# Allegro board CATALYSTK_260108.brd
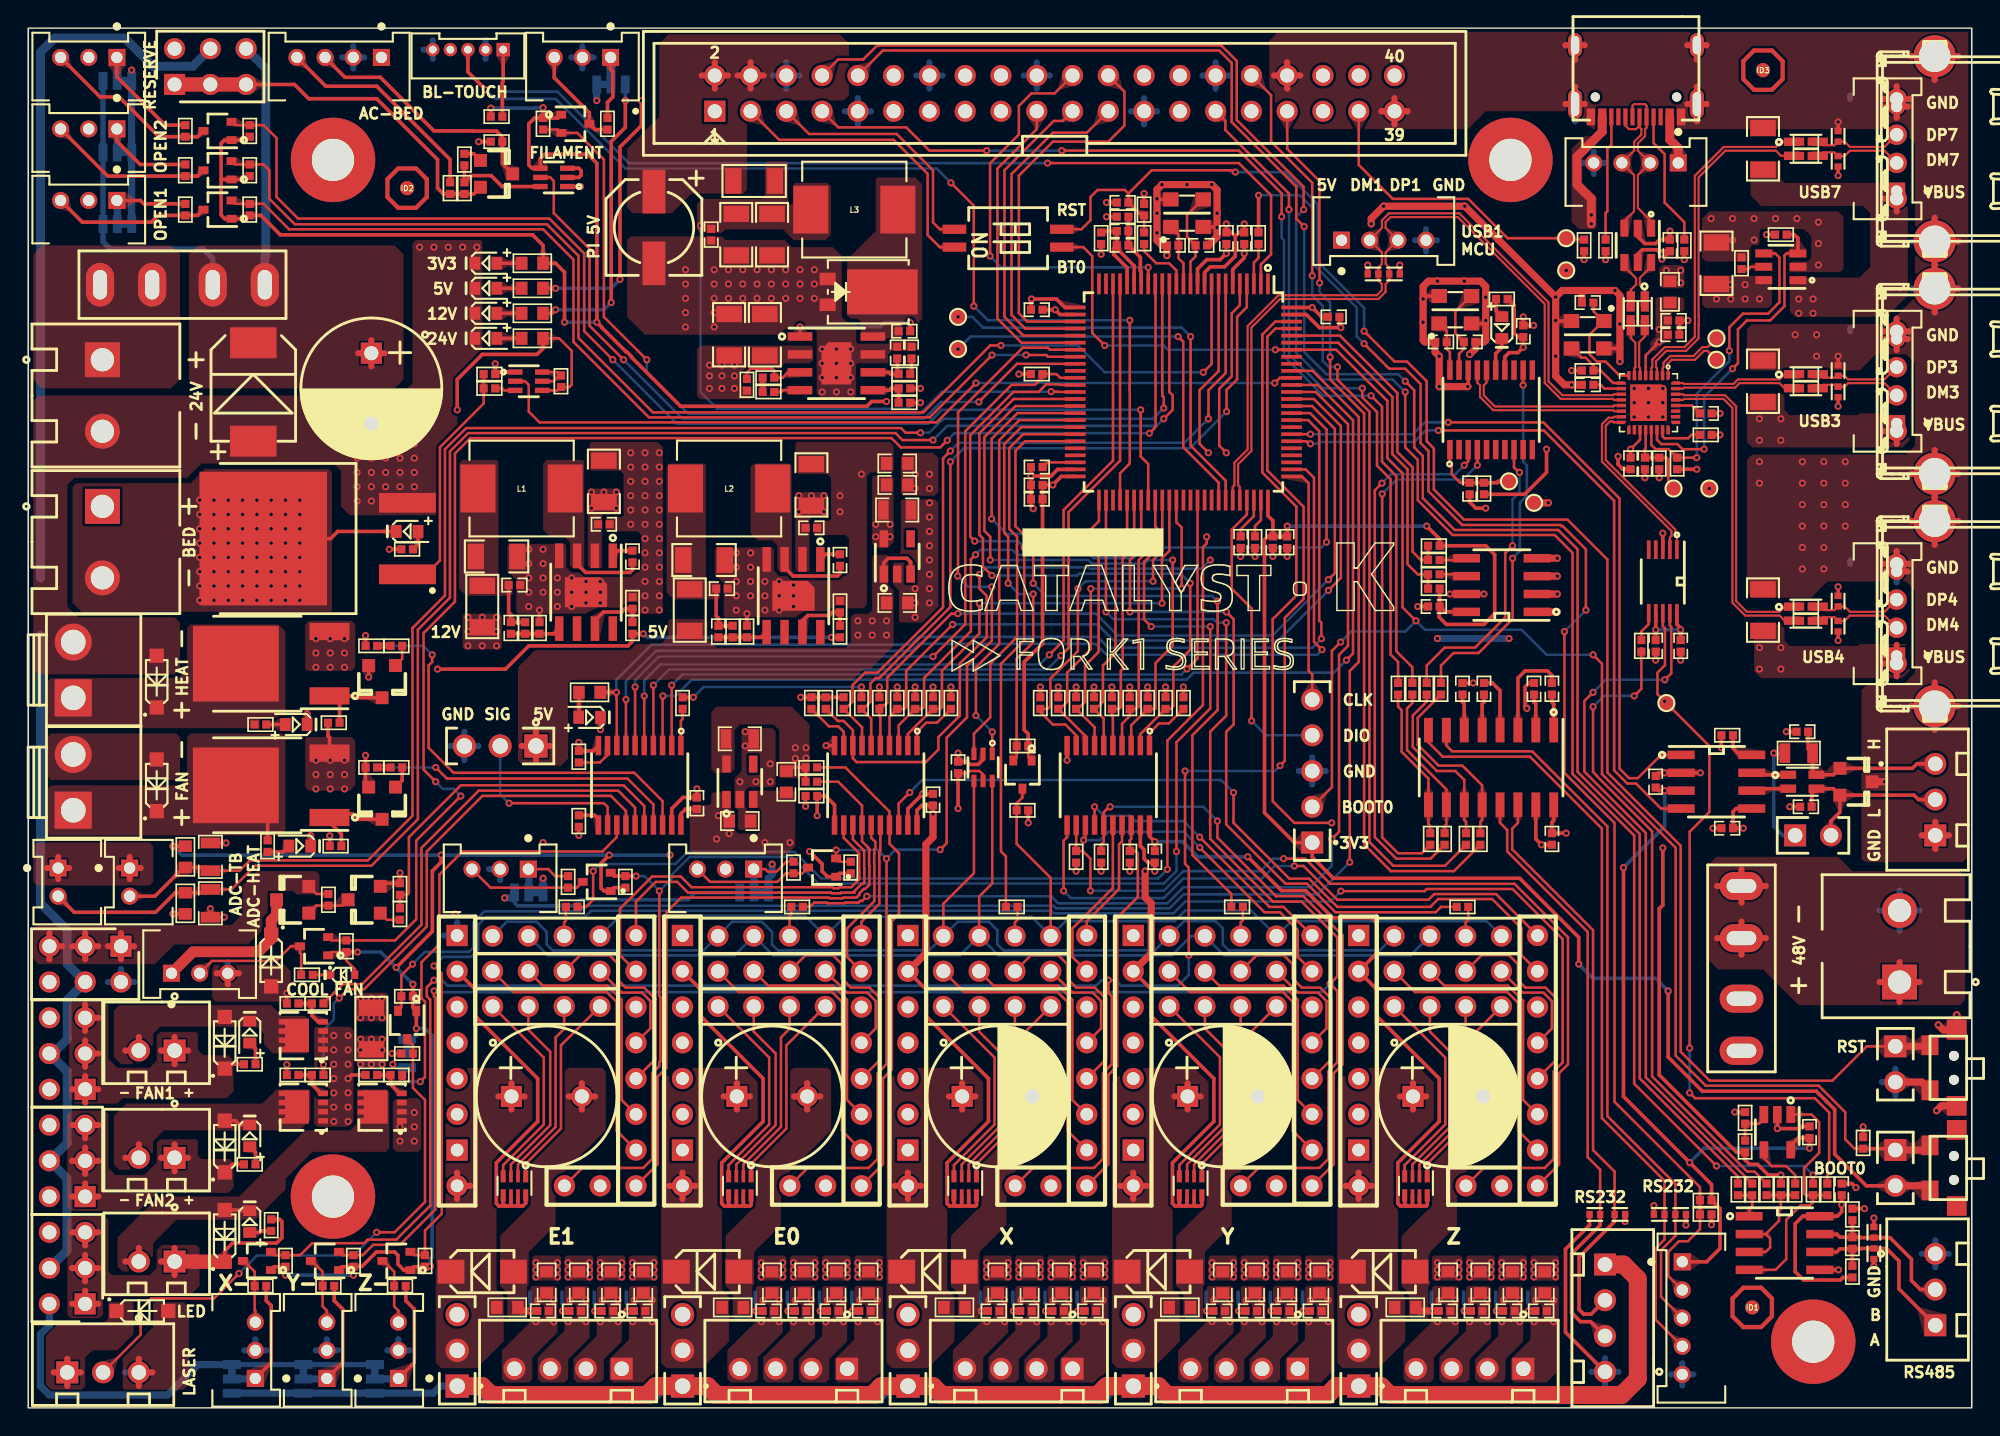
[diagram p0: board, top side]
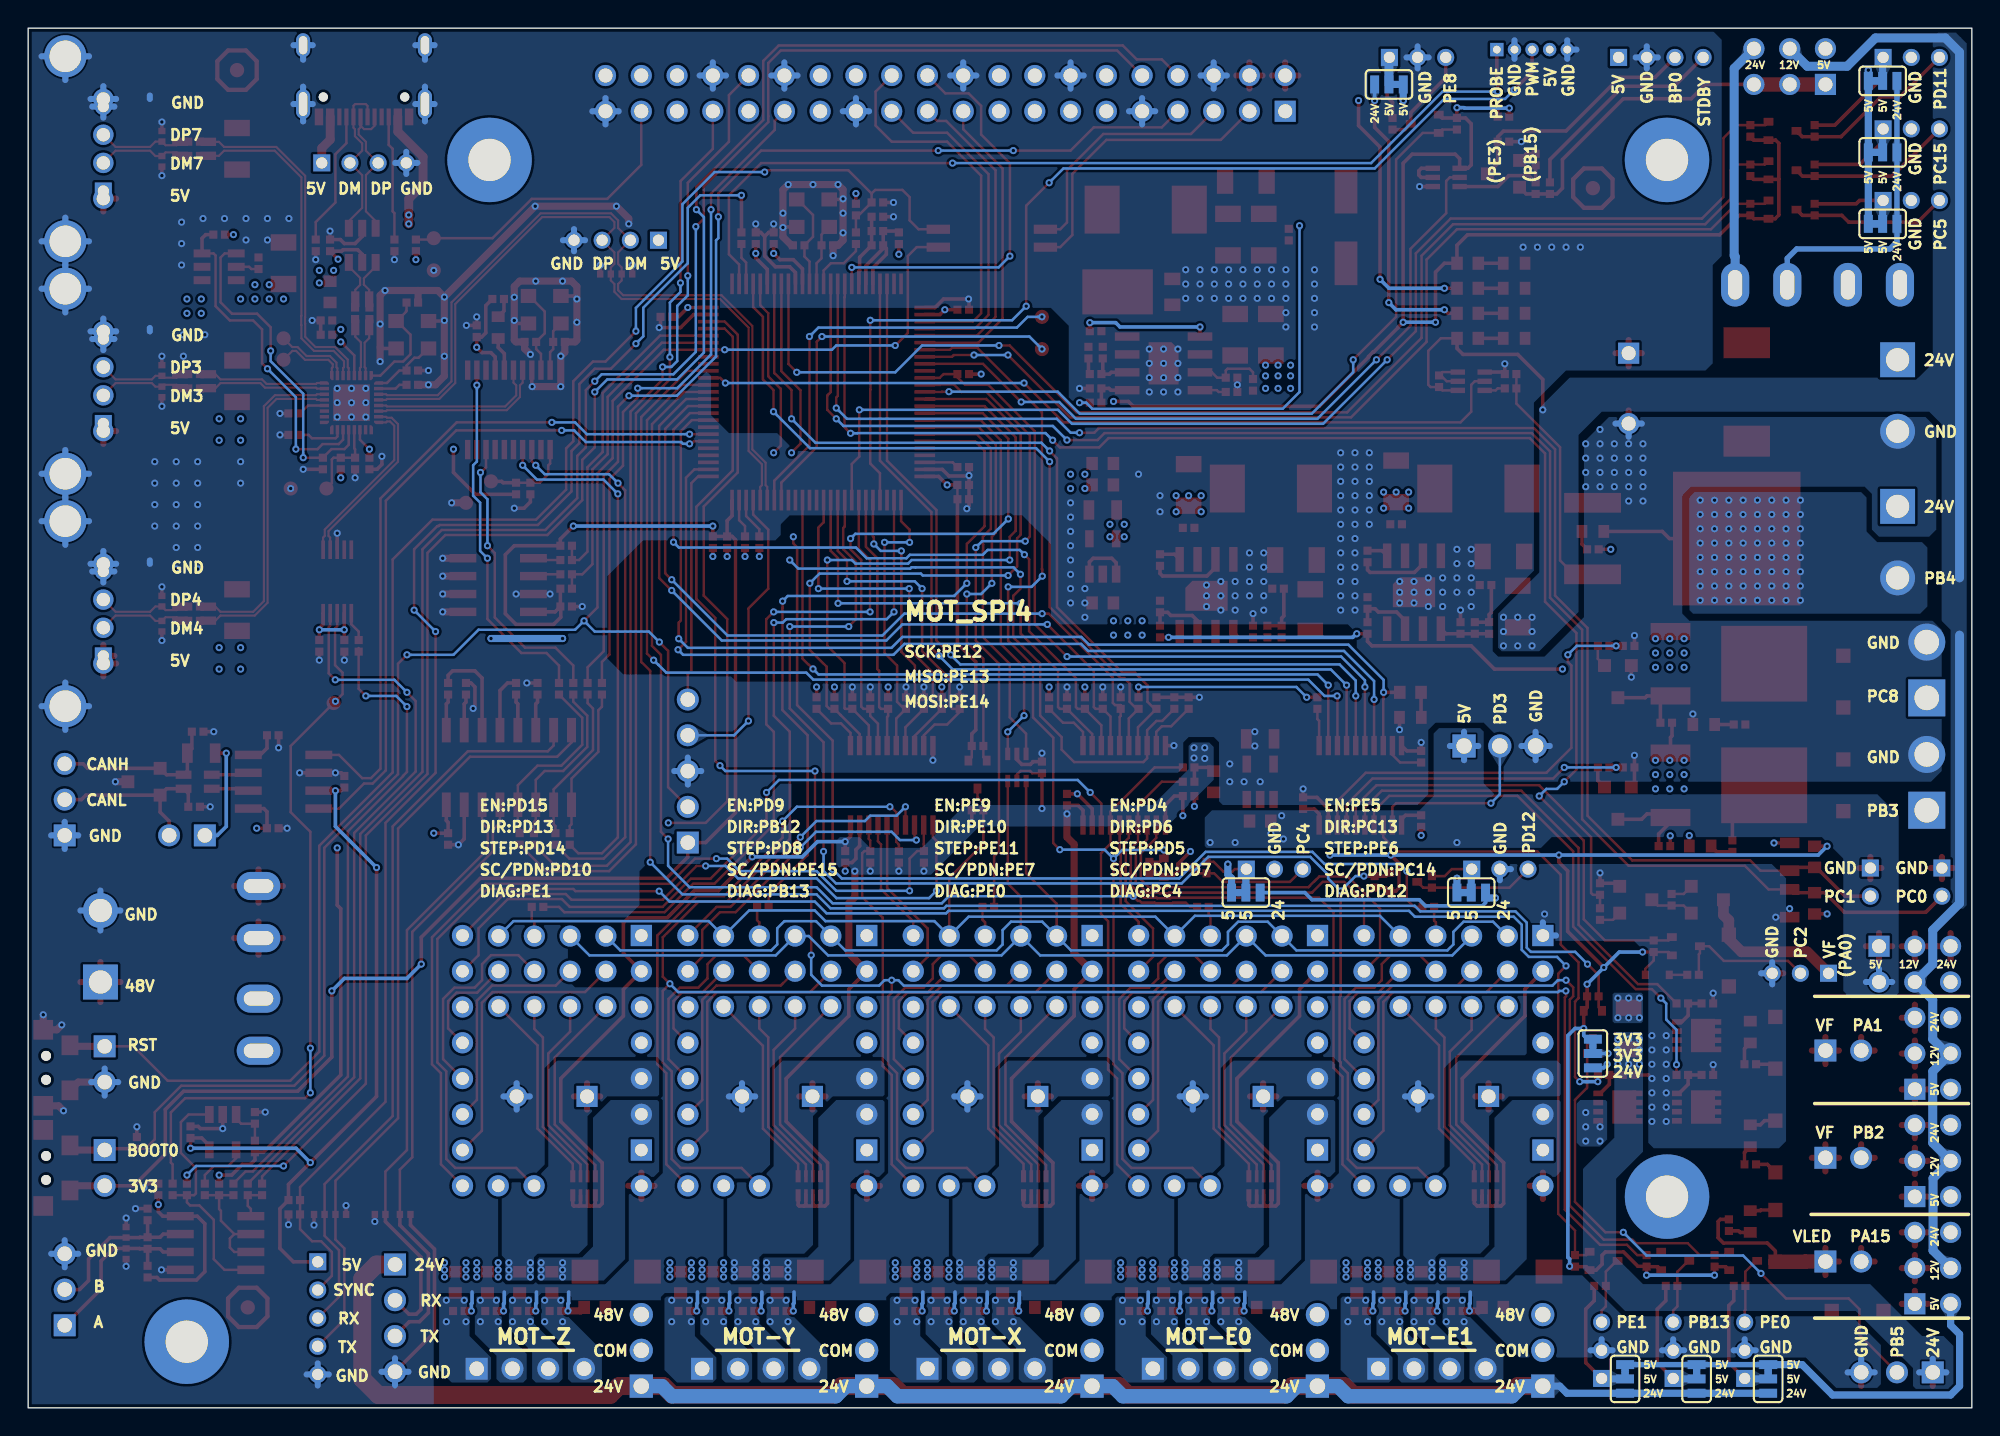
[diagram p1: board, bottom side, seen from below]

Outline 138 x 98 mm; copper layers: TOP, ART02, ART03, BOTTOM. Coordinates in mm from the lower left corner of the outline.
Outline path: rectangle 0,0 138,98

## Design rules (mm)
constraint set DEFAULT: min track width 0.178
net group DP1: nets PI_USB_UP_DM PI_USB_UP_DP
net group DP2: nets N713907 N714023
net group DP8: nets USB_DM4 USB_DP4
net group DP9: nets USB_DM3 USB_DP3
net group DP11: nets JK_DM7 JK_DP7
net group DP12: nets JK_DM3 JK_DP3
net group DP13: nets JK_DM4 JK_DP4
net group SPI1[0..3]: nets SPI1.MISO SPI1.MOSI SPI1.SCK SPI1.SS
net group SPI4[0..2]: nets SPI4.MISO SPI4.MOSI SPI4.SCK

## Placement (name value [footprint] x y rotation side)
C1  100nF  [C0402]  42.91 60.47 270 top
C2  470uF/35V  [CAPPRD500D1000H1300]  24.37 72.41 270 top
C3  10uF/35V  [C1206]  40.88 65.81 90 top
C4  100nF  [C0402]  40.88 62.76 0 top
C5  NC/47pF  [C0402]  34.27 55.39 270 top
C6  47uF/16V  [C1206]  33.26 60.47 0 top
C7  100nF  [C0402]  34.53 58.44 0 top
C8  100nF  [C0402]  57.64 60.22 270 top
C9  10uF/35V  [C1206]  55.61 65.55 90 top
C10  100nF  [C0402]  55.61 62.51 0 top
C11  NC/47pF  [C0402]  49 55.14 270 top
C12  100uF/10V  [C1206]  47.99 60.22 0 top
C13  100nF  [C0402]  49.26 58.19 0 top
C14  1uF  [C0603]  50.53 41.68 0 top
C15  10uF  [C0805]  50.53 47.52 0 top
C16  100nF  [C0402]  62.21 76.48 180 top
C17  100uF/10V  [C1206]  52.81 83.33 270 top
C18  NC/100uF  [C1206]  50.27 83.33 270 top
C19  100nF  [C0402]  48.5 83.33 270 top
C20  220uF/10V  [CAPAE660X550DD200L250N]  44.43 83.84 270 top
C21  2.2uF/100V  [C1206]  52.31 76.22 90 top
C22  2.2uF/100V  [C1206]  49.77 76.22 90 top
C23  6.8pF  [C0402]  61.7 74.95 90 top
C24  4.7nF  [C0402]  62.72 74.95 90 top
C25  1uF  [C0603]  61.7 57.17 0 top
C26  10uF  [C0805]  61.7 63.78 0 top
C27  1uF  [C0603]  61.7 67.08 180 top
C28  100nF  [C0402]  47.48 42.95 90 top
C29  100nF  [C0402]  66.02 45.49 90 top
C30  100nF  [C0402]  79.99 39.14 270 top
C31  100nF  [C0402]  99.8 56.92 180 top
C32  100nF  [C0402]  64.24 43.2 90 top
C33  100nF  [C0402]  77.71 85.62 180 top
C34  4.7uF  [C0402]  71.61 66.82 180 top
C35  4.7uF  [C0402]  86.09 61.49 270 top
C36  16pF  [C0402]  83.29 82.57 0 top
C37  4.7uF  [C0402]  89.39 61.49 270 top
C38  100nF  [C0402]  71.61 78 180 top
C39  100nF  [C0402]  86.34 83.08 90 top
C40  100nF  [C0402]  88.37 61.49 270 top
C41  100nF  [C0402]  85.07 83.08 90 top
C42  100nF  [C0402]  92.69 77.49 0 top
C43  100nF  [C0402]  77.71 82.57 0 top
C44  4.7uF  [C0402]  77.71 83.59 0 top
C45  4.7uF  [C0402]  71.61 64.54 180 top
C46  100nF  [C0402]  71.61 65.55 180 top
C47  16pF  [C0402]  81.26 82.57 180 top
C48  100nF  [C0402]  116.57 82.57 90 top
C49  100nF  [C0402]  116.82 77.24 0 top
C50  22pF  [C0402]  100.31 75.71 180 top
C51  100nF  [C0402]  114.79 67.08 270 top
C52  100nF  [C0402]  113.77 67.08 270 top
C53  1uF  [C0402]  116.82 76.22 0 top
C54  100nF  [C0402]  119.11 70.63 0 top
C55  1uF  [C0402]  110.73 72.67 180 top
C56  100nF  [C0402]  117.33 54.12 270 top
C57  30pF  [C0402]  110.73 78.51 180 top
C58  100nF  [C0402]  115.55 54.12 270 top
C59  100nF  [C0402]  102.34 65.3 270 top
C60  22pF  [C0402]  102.34 75.71 0 top
C63  100nF  [C0402]  108.19 40.41 270 top
C64  100nF  [C0402]  108.19 51.08 90 top
C65  100nF  [C0402]  106.92 51.08 90 top
C66  100nF  [C0402]  103.36 51.08 270 top
C67  100nF  [C0402]  101.84 51.08 90 top
C68  100nF  [C0402]  128.76 15.52 90 top
C69  100nF  [C0402]  120.63 41.17 180 top
C70  100nF  [C0402]  115.55 44.47 90 top
C71  100pF  [C0402]  125.97 48.03 180 top
C73  100pF  [C0402]  126.22 42.69 180 top
C74  10uF  [C0805]  12.94 35.84 270 top
C75  10uF  [C0805]  12.94 39.14 90 top
C76  100uF/63V  [CAPPRD500D1000H1300]  68.82 22.12 0 top
C77  100uF/63V  [CAPPRD500D1000H1300]  84.82 22.12 0 top
C78  100uF/63V  [CAPPRD500D1000H1300]  52.81 22.12 0 top
C79  100uF/63V  [CAPPRD500D1000H1300]  36.81 22.12 0 top
C80  100uF/63V  [CAPPRD500D1000H1300]  100.82 22.12 0 top
C81  100uF/6.3V  [C1206]  119.87 81.3 90 top
C82  100uF/6.3V  [C1206]  123.17 89.43 90 top
C83  100uF/6.3V  [C1206]  123.17 72.92 90 top
C84  100uF/6.3V  [C1206]  123.17 56.66 90 top
C85  100nF  [C0402]  106.15 76.48 90 top
C86  100nF  [C0402]  126.47 19.58 90 top
C87  1nF/100V  [C0402]  75.42 6.88 180 top
C88  1nF/100V  [C0402]  73.13 6.88 180 top
C89  1nF/100V  [C0402]  70.85 6.88 180 top
C90  1nF/100V  [C0402]  68.56 6.88 180 top
C91  1nF/100V  [C0402]  91.42 6.88 180 top
C92  1nF/100V  [C0402]  89.14 6.88 180 top
C93  1nF/100V  [C0402]  86.85 6.88 180 top
C94  1nF/100V  [C0402]  84.56 6.88 180 top
C95  1nF/100V  [C0402]  59.42 6.88 180 top
C96  1nF/100V  [C0402]  57.13 6.88 180 top
C97  1nF/100V  [C0402]  54.85 6.88 180 top
C98  1nF/100V  [C0402]  52.56 6.88 180 top
C99  1nF/100V  [C0402]  43.42 6.88 180 top
C100  1nF/100V  [C0402]  41.13 6.88 180 top
C101  1nF/100V  [C0402]  38.84 6.88 180 top
C102  1nF/100V  [C0402]  36.56 6.88 180 top
C103  1nF/100V  [C0402]  107.42 6.88 180 top
C104  1nF/100V  [C0402]  105.14 6.88 180 top
C105  1nF/100V  [C0402]  102.85 6.88 180 top
C106  1nF/100V  [C0402]  100.57 6.88 180 top
D1  5.0SMDJ28A  [SMC]  15.98 72.16 90 top
D2  MBR1560S  [TO-277B_MBR1560S_SME-L]  59.65 79.27 270 top
D3  RED  [LED0603]  32.49 77.75 0 top
D4  ORANGE  [LED0603]  32.49 75.97 0 top
D5  YELLOW  [LED0603]  32.49 79.52 0 top
D6  GREEN  [LED0603]  32.49 81.3 0 top
D7  BLUE  [LED0603]  39.86 49.04 180 top
D8  USBLC6-2SC6Y  [SOT23-6]  114.28 82.57 180 top
D10  RED  [LED0603]  26.91 62.25 0 top
D11  SS14  [SOD123]  9.13 51.58 90 top
D12  SS14  [SOD123]  9.13 44.22 90 top
D13  RED  [LED0603]  19.03 48.54 180 top
D14  RED  [LED0603]  19.29 39.9 180 top
D15  SS14  [SOD123]  13.95 25.93 90 top
D16  SS14  [SOD123]  13.95 18.56 90 top
D17  SS14  [SOD123]  13.95 12.21 90 top
D18  RED  [LED0603]  15.73 26.69 270 top
D19  RED  [LED0603]  15.73 19.33 270 top
D20  RED  [LED0603]  15.73 13.23 270 top
D21  1N4148  [SOD523]  22.33 30.76 0 top
D22  SS14  [SOD123]  17.25 31.77 270 top
D23  SS14  [SOD123]  8.11 6.88 0 top
D24  TVS  [0402_CC]  111.23 13.74 180 top
D25  TVS  [0402_CC]  113.01 13.74 0 top
D26  TVS  [0402_CC]  115.81 13.74 180 top
D27  TVS  [0402_CC]  117.33 13.74 0 top
D28  TVS  [0402_CC]  131.05 10.94 270 top
D29  TVS  [0402_CC]  131.05 12.47 90 top
D30  NUP2105LT1G  [SOT23]  129.78 44.47 270 top
D31  SMAJ50A  [SMA]  64.24 9.67 180 top
D32  SMAJ50A  [SMA]  80.25 9.67 180 top
D33  SMAJ50A  [SMA]  48.24 9.67 180 top
D34  SMAJ50A  [SMA]  32.24 9.67 180 top
D35  SMAJ50A  [SMA]  96.25 9.67 180 top
D36  RED  [LED0603]  104.63 76.73 90 top
ED1  TVS-0.4pF  [0402_CC]  128.51 90.32 90 top
ED2  TVS-0.4pF  [0402_CC]  128.51 88.54 270 top
ED3  TVS-0.4pF  [0402_CC]  128.51 73.68 90 top
ED4  TVS-0.4pF  [0402_CC]  128.51 72.16 270 top
ED5  TVS-0.4pF  [0402_CC]  128.51 57.3 90 top
ED6  TVS-0.4pF  [0402_CC]  128.51 55.52 270 top
ED7  TVS-0.4pF  [0402_CC]  97.01 80.54 0 top
ED8  TVS-0.4pF  [0402_CC]  95.49 80.54 180 top
F1  15A  [MCCQ-122]  8.8 79.78 270 top
F2  CC12H5A-TR  [F1206]  32.24 56.92 270 top
F3  15A  [MCCQ-122]  121.65 33.37 180 top
F4  CC12H5A-TR  [F1206]  46.97 56.66 270 top
F5  CC12H5A-TR  [F1206]  51.54 87.14 180 top
F6  NC  [F1206]  24.37 26.95 90 top
FB1  BEAD  [C0603]  53.83 44.47 90 top
FB2  BEAD  [C0603]  61.7 65.55 0 top
FB3  BEAD  [R0402]  76.18 83.08 90 top
FB4  BEAD  [R0402]  77.71 84.6 0 top
FB5  BEAD  [C0603]  116.57 79.27 270 top
FB6  FB  [FB0603]  68.82 8.91 270 top
FB7  FB  [FB0603]  71.1 8.91 270 top
FB8  FB  [FB0603]  73.39 8.91 270 top
FB9  FB  [FB0603]  75.67 8.91 270 top
FB10  FB  [FB0603]  84.82 8.91 270 top
FB11  FB  [FB0603]  87.1 8.91 270 top
FB12  FB  [FB0603]  89.39 8.91 270 top
FB13  FB  [FB0603]  91.68 8.91 270 top
FB14  FB  [FB0603]  52.81 8.91 270 top
FB15  FB  [FB0603]  55.1 8.91 270 top
FB16  FB  [FB0603]  57.39 8.91 270 top
FB17  FB  [FB0603]  59.67 8.91 270 top
FB18  FB  [FB0603]  36.81 8.91 270 top
FB19  FB  [FB0603]  39.1 8.91 270 top
FB20  FB  [FB0603]  41.38 8.91 270 top
FB21  FB  [FB0603]  43.67 8.91 270 top
FB22  FB  [FB0603]  100.82 8.91 270 top
FB23  FB  [FB0603]  103.11 8.91 270 top
FB24  FB  [FB0603]  105.39 8.91 270 top
FB25  FB  [FB0603]  107.68 8.91 270 top
ID1  MARK  [ID-BOARDA]  122.41 7.13 0 top
ID2  MARK  [ID-BOARDA]  26.91 86.64 0 top
ID3  MARK  [ID-BOARDA]  123.17 95.02 0 top
J1  KF_CON_2P  [KF12X_P508-2P]  5.27 74.45 270 top
J2  KF_CON_2P  [KF12X_P508-2P]  132.87 30.25 90 top
J4  CON_5  [PH_HEADER-5X1_254P]  91.17 40.15 90 top
J5  CON2  [PH_HEADER-2X1_P254]  132.57 25.68 270 top
J6  CON2  [PH_HEADER-2X1_P254]  132.57 18.31 270 top
J7  PH2.0_4P  [PH200_B4B-PH-K-S]  132.01 89.43 90 top
J8  NC/PH2.0_4P  [PH200_B4B-PH-K-S]  114.16 87.78 180 top
J9  NC  [USB20_AF]  135.36 89.43 90 top
J10  TYPE-C_16P  [KH-TYPE-C-16P-T]  114.16 95.15 180 top
J11  PH2.0_4P  [PH200_B4B-PH-K-S]  132.01 72.92 90 top
J12  NC  [USB20_AF]  135.36 72.92 90 top
J13  PH2.0_4P  [PH200_B4B-PH-K-S]  132.01 56.41 90 top
J14  NC  [USB20_AF]  135.36 56.41 90 top
J15  NC/PH2.0_4P  [PH200_B4B-PH-K-S]  96.25 83.59 0 top
J17  CON2  [BZ-VH396-2P]  4.65 52.41 90 top
J18  CON2  [BZ-VH396-2P]  4.65 44.43 90 top
J19  KF_CON_2P  [KF12X_P508-2P]  5.27 64.03 270 top
J20  Header 3X2_PH254  [PH_HEADER-3X2_254P]  10.39 94 0 top
J21  Header 3X2_PH254  [PH_HEADER-3X2_254P]  4.05 22.63 90 top
J22  Header 3X2_PH254  [PH_HEADER-3X2_254P]  4.05 15.01 90 top
J23  Header 3X2_PH254  [PH_HEADER-3X2_254P]  4.05 7.39 90 top
J24  PH2.0_4P  [PH200_B4B-PH-K-S]  22.08 95.27 180 top
J25  JSTXH_2P  [XH254-2A]  10.4 25.38 180 top
J26  JSTXH_2P  [XH254-2A]  10.4 17.76 180 top
J27  JSTXH_2P  [XH254-2A]  10.4 10.39 180 top
J28  Header 3X2_PH254  [PH_HEADER-3X2_254P]  6.59 32.79 180 top
J29  PH2.0_3P  [PH200_B3B-PH-K-S]  12.17 31.52 0 top
J30  header_3  [PH_HEADER-3X1_254P]  36.05 47.01 180 top
J31  JSTXH_3P  [XH254-3A_1]  7.86 2.52 180 top
J33  IDCCON_20X2  [IDCCON_P254_VH20X2]  48.75 92.1 0 top
J35  JSTXH_4P  [XH254-4A_1]  111.96 2.56 90 top
J36  PH2.0_5P  [PH200_B5B-PH-K-S]  118.09 6.37 270 top
J37  JSTXH_3P  [XH254-3A_1]  135.41 10.94 270 top
J38  JSTXH_3P  [XH254-3A_1]  135.41 45.74 270 top
J39  JSTXH 2-R  [PH200_B2B-PH-K-S]  2.78 36.34 270 top
J40  PH2.0_3P  [PH200_B3B-PH-K-S]  15.48 4.09 90 top
J41  PH2.0_3P  [PH200_B3B-PH-K-S]  49.51 37.61 180 top
J42  JSTXH 2-R  [PH200_B2B-PH-K-S]  7.86 36.34 270 top
J43  PH2.0_3P  [PH200_B3B-PH-K-S]  20.56 4.09 90 top
J44  PH2.0_3P  [PH200_B3B-PH-K-S]  33.51 37.61 180 top
J45  PH2.0_3P  [PH200_B3B-PH-K-S]  4.3 85.11 180 top
J46  NC/HC-125-5A  [HC-125-5A]  31.22 96.48 180 top
J47  PH2.0_3P  [PH200_B3B-PH-K-S]  25.64 4.09 90 top
J48  PH2.0_3P  [PH200_B3B-PH-K-S]  4.3 90.19 180 top
J49  PH2.0_3P  [PH200_B3B-PH-K-S]  4.3 95.27 180 top
J50  PH2.0_3P  [PH200_B3B-PH-K-S]  39.35 95.27 180 top
J51  header_3  [PH_HEADER-3X1_254P]  62.47 1.54 90 top
J52  JUMPER_4X3  [HEADER_3X4]  64.98 33.51 0 top
J53  4 HEADER  [XH254-4A]  74.15 2.78 180 top
J54  header_3  [PH_HEADER-3X1_254P]  78.47 1.54 90 top
J55  JUMPER_4X3  [HEADER_3X4]  81.01 33.51 0 top
J56  4 HEADER  [XH254-4A]  90.15 2.78 180 top
J57  header_3  [PH_HEADER-3X1_254P]  46.46 1.54 90 top
J58  JUMPER_4X3  [HEADER_3X4]  48.98 33.51 0 top
J59  4 HEADER  [XH254-4A]  58.15 2.78 180 top
J60  header_3  [PH_HEADER-3X1_254P]  30.46 1.54 90 top
J61  JUMPER_4X3  [HEADER_3X4]  32.97 33.51 0 top
J62  4 HEADER  [XH254-4A]  42.15 2.78 180 top
J63  header_3  [PH_HEADER-3X1_254P]  94.47 1.54 90 top
J64  JUMPER_4X3  [HEADER_3X4]  96.98 33.51 0 top
J65  4 HEADER  [XH254-4A]  106.15 2.78 180 top
J66  header_2  [PH_HEADER-2X1_P254]  125.46 40.66 0 top
JP7  JP_3  [AD-JUMPER-3-2OF3_NC_BY_PASTE3]  26.91 25.17 90 bottom
JP8  JP_3  [AD-JUMPER-3-2OF3_NC_BY_PASTE3]  14.46 2.05 90 bottom
JP9  JP_3  [AD-JUMPER-3-2OF3_NC_BY_PASTE3]  51.54 36.6 0 bottom
JP10  JP_3  [AD-JUMPER-3-2OF3_NC_BY_PASTE3]  35.54 36.6 0 bottom
JP11  JP_3  [AD-JUMPER-3-2OF3_NC_BY_PASTE3]  19.54 2.05 90 bottom
JP12  JP_3  [AD-JUMPER-3-2OF3_NC_BY_PASTE3]  6.33 84.1 0 bottom
JP13  JP_3  [AD-JUMPER-3-2OF3_NC_BY_PASTE3]  24.62 2.05 90 bottom
JP14  JP_3  [AD-JUMPER-3-2OF3_NC_BY_PASTE3]  6.33 89.18 0 bottom
JP15  JP_3  [AD-JUMPER-3-2OF3_NC_BY_PASTE3]  41.38 94 180 bottom
JP16  JP_3  [AD-JUMPER-3-2OF3_NC_BY_PASTE3]  6.33 94.26 0 bottom
L1  10uH/7A  [SPL0707G]  35.03 65.3 180 top
L2  4.7uH/7A  [SPL0707G]  49.77 65.3 180 top
L3  6.8uH/7A  [SPL0707G]  58.66 85.11 180 top
L4  120R/100MHz  [INDS_ACM2012]  125.97 44.47 0 top
L5  W2012-2-900TF  [INDS_ACM2012]  114.28 77.75 270 top
L6  W2012-2-900TF  [INDS_ACM2012]  126.22 89.43 0 top
L7  W2012-2-900TF  [INDS_ACM2012]  126.22 72.92 0 top
L8  W2012-2-900TF  [INDS_ACM2012]  126.22 56.41 0 top
M1  HOLE  [MTGP600H300]  21.64 88.64 0 top
M2  HOLE  [MTGP600H300]  21.64 15 0 top
M3  HOLE  [MTGP600H300]  105.24 88.64 0 top
M4  HOLE  [MTGP600H300]  126.74 4.7 0 top
MD1  StepStick_driver_MD  [TMC_BREAKOUT]  75.16 15.77 90 top
MD2  StepStick_driver_MD  [TMC_BREAKOUT]  91.16 15.77 90 top
MD3  StepStick_driver_MD  [TMC_BREAKOUT]  59.16 15.77 90 top
MD4  StepStick_driver_MD  [TMC_BREAKOUT]  43.15 15.77 90 top
MD5  StepStick_driver_MD  [TMC_BREAKOUT]  107.16 15.77 90 top
N1  SHORT  [SHORT_W50]  26.91 25.68 90 bottom
N2  SHORT  [SHORT_W50]  14.46 2.56 90 bottom
N3  SHORT  [SHORT_W50]  52.05 36.6 0 bottom
N4  SHORT  [SHORT_W50]  36.05 36.6 0 bottom
N5  SHORT  [SHORT_W50]  19.54 2.56 90 bottom
N6  SHORT  [SHORT_W50]  6.84 84.1 0 bottom
N7  SHORT  [SHORT_W50]  24.62 2.56 90 bottom
N8  SHORT  [SHORT_W50]  6.84 89.18 0 bottom
N9  SHORT  [SHORT_W50]  40.88 94 180 bottom
N10  SHORT  [SHORT_W50]  6.84 94.26 0 bottom
NOREF  -  []  138 0 90 top
NOREF#2  -  []  0 0 0 top
NOREF#3  -  []  70.59 60.47 0 top
Q1  2N7002  [SC-70_SOT323]  70.59 44.98 180 top
Q2  AOD403  [TO-252]  17.25 52.85 90 top
Q3  AOD403  [TO-252]  17.25 44.22 90 top
Q4  DCX123JU  [SOT363]  35.54 72.92 270 top
Q5  WSK220N04  [TO-263-2L_1524X483L228X75T78-1]  20.56 61.74 90 top
Q6  BC817  [SOT23]  25.13 51.58 180 top
Q7  BC817  [SOT23]  25.13 42.95 180 top
Q8  DCX123JU  [SOT363]  37.32 87.4 90 top
Q9  BC807  [SOT23]  33.26 87.65 270 top
Q10  40N06D  [DFN-8_065P330X330X110]  19.54 26.44 90 top
Q11  40N06D  [DFN-8_065P330X330X110]  19.54 21.36 90 top
Q12  40N06D  [DFN-8_065P330X330X110]  25.13 21.36 90 top
Q13  2N7002  [SC-70_SOT323]  20.3 32.79 90 top
Q14  AO3401  [SOT23]  18.78 36.09 90 top
Q15  2N7002  [SC-70_SOT323]  26.91 27.2 180 top
Q16  BC817  [SOT23]  23.86 36.09 90 top
Q17  2N7002  [SC-70_SOT323]  16.24 10.44 90 top
Q18  2N7002  [SC-70_SOT323]  56.37 38.38 90 top
Q19  2N7002  [SC-70_SOT323]  21.06 10.44 90 top
Q20  2N7002  [SC-70_SOT323]  40.37 37.36 90 top
Q21  2N7002  [SC-70_SOT323]  13.44 85.11 90 top
Q22  2N7002  [SC-70_SOT323]  26.14 10.44 90 top
Q23  2N7002  [SC-70_SOT323]  13.44 87.91 90 top
Q24  2N7002  [SC-70_SOT323]  13.44 90.7 90 top
Q25  2N7002  [SC-70_SOT323]  38.84 91.21 270 top
R1  430K  [R0402]  42.91 55.39 270 top
R2  100K  [R0402]  35.29 55.39 90 top
R3  NC/39.3K  [R0402]  42.91 57.17 270 top
R4  8.2K  [R0402]  36.3 55.39 270 top
R5  430K  [R0402]  57.64 55.14 270 top
R6  100K/1%  [R0402]  50.02 55.14 90 top
R7  NC/39.3K  [R0402]  57.64 56.92 270 top
R8  22K/1%  [R0402]  51.04 55.14 270 top
R9  20K  [R0603]  35.8 77.75 0 top
R10  10K  [R0603]  35.8 75.97 0 top
R11  3.3K  [R0603]  35.8 79.52 0 top
R12  1.5K  [R0603]  35.8 81.3 0 top
R13  82K/1%  [R0402]  62.21 71.4 0 top
R14  470K  [R0402]  51.04 72.67 270 top
R15  15K/1%  [R0402]  62.21 72.41 180 top
R16  23.7K/1%  [R0402]  62.21 73.43 180 top
R17  162K  [R0402]  52.56 72.16 0 top
R18  91K  [R0402]  52.56 73.17 0 top
R19  4.7K  [R0402]  46.46 50.06 270 top
R20  4.7K  [R0402]  70.59 42.44 180 top
R21  NC/4.7K  [R0402]  70.59 47.01 180 top
R22  10K  [R0402]  39.1 41.68 90 top
R23  10K  [R0402]  39.1 46.25 90 top
R24  10K  [R0402]  71.61 73.43 0 top
R25  4.7K  [R0402]  82.02 50.06 270 top
R26  4.7K  [R0402]  80.75 50.06 270 top
R27  4.7K  [R0402]  79.48 50.06 90 top
R28  4.7K  [R0402]  78.21 50.06 90 top
R29  2.7K  [R0402]  99.8 61.24 180 top
R30  2.7K  [R0402]  99.8 58.19 180 top
R31  4.7K  [R0402]  76.94 50.06 90 top
R32  4.7K  [R0402]  75.67 50.06 90 top
R33  4.7K  [R0402]  74.4 50.06 90 top
R34  1K  [R0402]  99.8 59.2 180 top
R35  1K  [R0402]  99.8 60.22 180 top
R36  4.7K  [R0402]  73.13 50.06 90 top
R37  4.7K  [R0402]  71.86 50.06 90 top
R38  1.5K  [R0603]  39.86 50.82 0 top
R39  4.7K  [R0402]  65.51 50.06 270 top
R40  4.7K  [R0402]  64.24 50.06 90 top
R41  4.7K  [R0402]  62.97 50.06 90 top
R42  4.7K  [R0402]  61.7 50.06 90 top
R43  4.7K  [R0402]  60.43 50.06 90 top
R44  4.7K  [R0402]  59.16 50.06 90 top
R45  4.7K  [R0402]  57.89 50.06 90 top
R46  10K  [R0402]  55.61 43.46 0 top
R47  4.7K  [R0402]  56.62 50.06 90 top
R48  100K  [R0402]  79.23 85.11 270 top
R49  10K  [R0402]  55.61 50.06 90 top
R50  0R  [R0402]  87.1 61.49 270 top
R51  10K  [R0402]  130.28 18.82 90 top
R52  100R  [R0402]  79.23 83.08 90 top
R55  NC  [R0402]  114.79 77.75 90 top
R56  5.1K  [R0402]  117.58 82.57 90 top
R57  NC  [R0402]  113.77 77.75 90 top
R58  5.1K  [R0402]  112 82.57 90 top
R64  NC  [R0402]  119.11 69.11 180 top
R66  24.9K  [R0402]  121.65 81.3 270 top
R67  51K/(NC)  [R0402]  124.44 83.33 180 top
R69  NC  [R0402]  115.81 67.08 90 top
R70  4.7M  [R0402]  110.73 73.68 0 top
R71  4.7K  [R0402]  26.91 60.98 180 top
R72  10K  [R0402]  37.83 72.92 270 top
R73  100K  [R0402]  21.7 48.66 0 top
R74  100K  [R0402]  21.83 39.9 0 top
R75  10R  [R0402]  32.75 72.41 180 top
R76  4.7K  [R0402]  16.49 48.54 180 top
R77  4.7K  [R0402]  17 39.9 90 top
R78  100K  [R0402]  32.75 73.43 0 top
R79  2.7K  [R0402]  26.14 54.12 180 top
R80  2.7K  [R0402]  26.14 45.49 180 top
R81  10K  [R0402]  24.37 54.12 180 top
R82  10K  [R0402]  24.37 45.49 180 top
R83  100K  [R0402]  30.97 86.64 270 top
R84  10K  [R0402]  29.95 86.64 90 top
R85  10K  [R0402]  30.97 88.67 90 top
R86  100K  [R0402]  33.26 89.94 180 top
R87  4.7K  [R0402]  15.73 24.41 0 top
R88  4.7K  [R0402]  15.73 17.29 0 top
R89  4.7K  [R0402]  17.25 12.98 270 top
R90  1K  [R0402]  20.56 23.64 0 top
R91  1K  [R0402]  20.56 28.72 0 top
R92  1K  [R0402]  26.14 23.64 0 top
R93  100K  [R0402]  18.78 28.72 180 top
R94  100K  [R0402]  18.78 23.64 180 top
R95  100K  [R0402]  24.37 23.64 180 top
R96  10K  [R0402]  19.79 30.76 180 top
R97  10K  [R0402]  22.59 32.79 90 top
R98  100K  [R0402]  21.32 36.09 270 top
R99  10K  [R0402]  26.91 29.23 180 top
R100  10K  [R0402]  26.91 25.17 0 top
R101  2.7K  [R0402]  26.4 35.07 90 top
R102  10K  [R0402]  26.4 36.85 90 top
R103  0R/NC  [R0402]  99.3 51.08 270 top
R104  0R/NC  [R0402]  100.31 51.08 270 top
R105  0R/NC  [R0402]  100.57 40.41 90 top
R106  0R/NC  [R0402]  99.55 40.41 90 top
R107  100R  [R0402]  87.36 83.08 90 top
R108  10K  [R0402]  129.52 13.74 270 top
R109  0R/NC  [R0402]  122.41 15.52 270 top
R110  120R  [R0402]  129.52 11.71 270 top
R111  0R/NC  [R0402]  127.74 15.52 270 top
R112  10K  [R0402]  124.44 15.52 270 top
R113  10K  [R0402]  129.52 9.67 270 top
R114  60.4R  [R0805]  125.71 46.5 0 top
R116  10K  [R0402]  120.63 47.77 180 top
R117  4.7K  [R0603]  11.16 35.84 90 top
R118  10K  [R0402]  18.27 10.44 90 top
R119  10K  [R0402]  16.49 8.66 180 top
R120  10K  [R0402]  58.4 38.38 90 top
R121  10K  [R0402]  54.34 38.38 270 top
R122  4.7K  [R0603]  11.16 39.14 270 top
R123  10K  [R0402]  23.1 10.44 90 top
R124  10K  [R0402]  21.32 8.66 180 top
R125  10K  [R0402]  42.4 37.36 90 top
R126  10K  [R0402]  38.34 37.36 270 top
R127  10K  [R0402]  15.73 85.11 90 top
R128  10K  [R0402]  11.16 85.11 270 top
R129  10K  [R0402]  33.26 91.72 0 top
R130  10K  [R0402]  28.18 10.44 90 top
R131  10K  [R0402]  26.4 8.66 180 top
R132  10K  [R0402]  15.73 87.91 90 top
R133  10K  [R0402]  11.16 87.91 270 top
R134  10K  [R0402]  15.73 90.7 90 top
R135  10K  [R0402]  11.16 90.7 270 top
R136  10K  [R0402]  36.56 91.21 270 top
R137  10K  [R0402]  41.13 91.21 270 top
R138  100K  [R0603]  65.77 7.13 0 top
R139  10K  [R0402]  78.21 39.14 90 top